# Altium PCB STB_ValidationBoard.PcbDoc (part 4 of 4)
Units mm, origin at the board's own origin, x right, y up, seen from the top; angles counter-clockwise.
Board outline 154 x 150 mm, 4 copper layers (Top Layer, Int1 (Signal), Int2 (GND), Bottom Layer), stack 0.76 mm thick; 235 components, 88 nets, 1220 pads, 302 vias.
Unrouted connection lines stored in the file: 398.
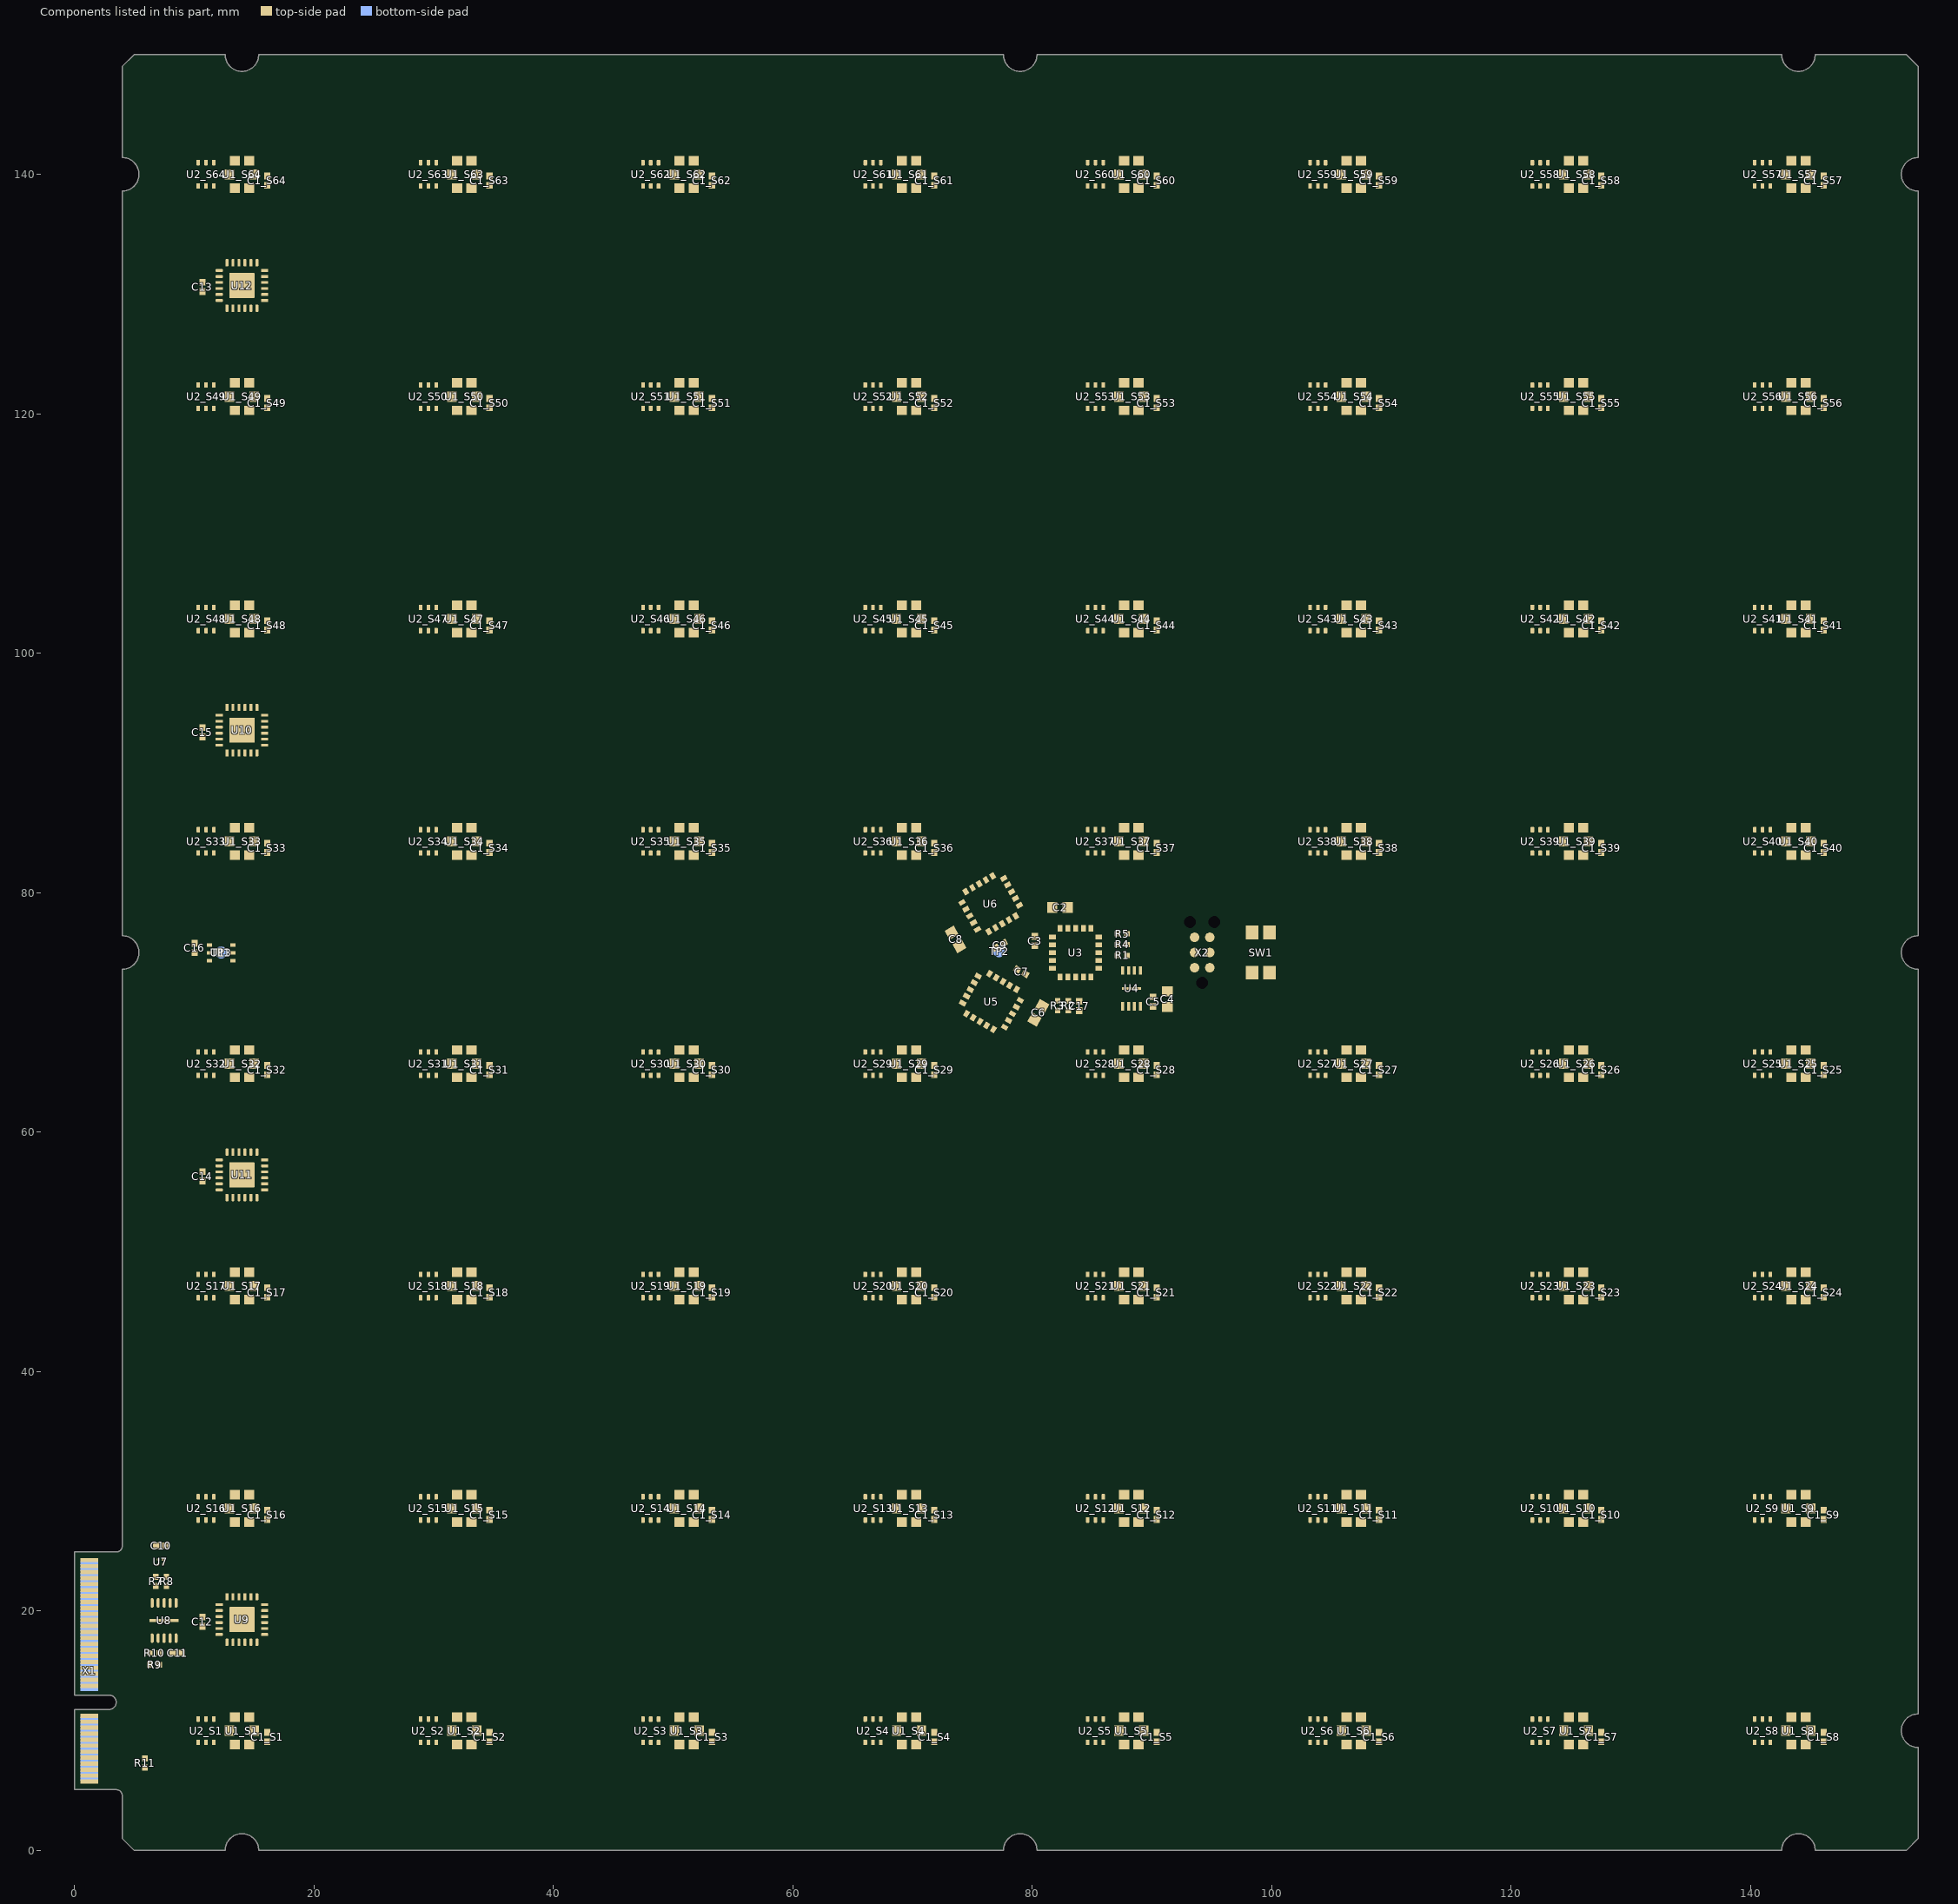
[diagram p6: the components of this part, seen from the top]

## Dimensions (continued)
0,0 to 3.5,5.075 on Mechanical 6
5,0 to 5,150 on Mechanical 6
0,5.075 to 154,8.6 on Mechanical 6

## Text inside footprints (layer, text, board x,y; h text height)
X1: Top Overlay "1" at 2.55,6 h0.75 r270; Top Overlay "75" at 2.434,24.341 h0.75 r270; Mechanical 1 "Final Board Thickness: 0.8 +-0.08mm" at -3.85,24.3 h0.8 r270; Mechanical 1 "All pads hard gold finished" at 0.05,29.8 h0.5 r270; Mechanical 1 "20-degree chamfered border from this line" at -5.15,5 h0.5 r270; Mechanical 1 "Board Edge" at -1.65,19 h0.8 r270; Bottom Overlay "74" at 2.468,23.162 h0.75 r270; Bottom Overlay "2" at 2.35,5.6 h0.75 r270